# Altium PCB PCB_REV3.PcbDoc (part 2 of 2)
Units mm, origin at the board's own origin, x right, y up, seen from the top; angles counter-clockwise.
Board outline 75 x 115 mm, 2 copper layers (Top Layer, Bottom Layer); 203 components, 157 nets, 566 pads, 115 vias.
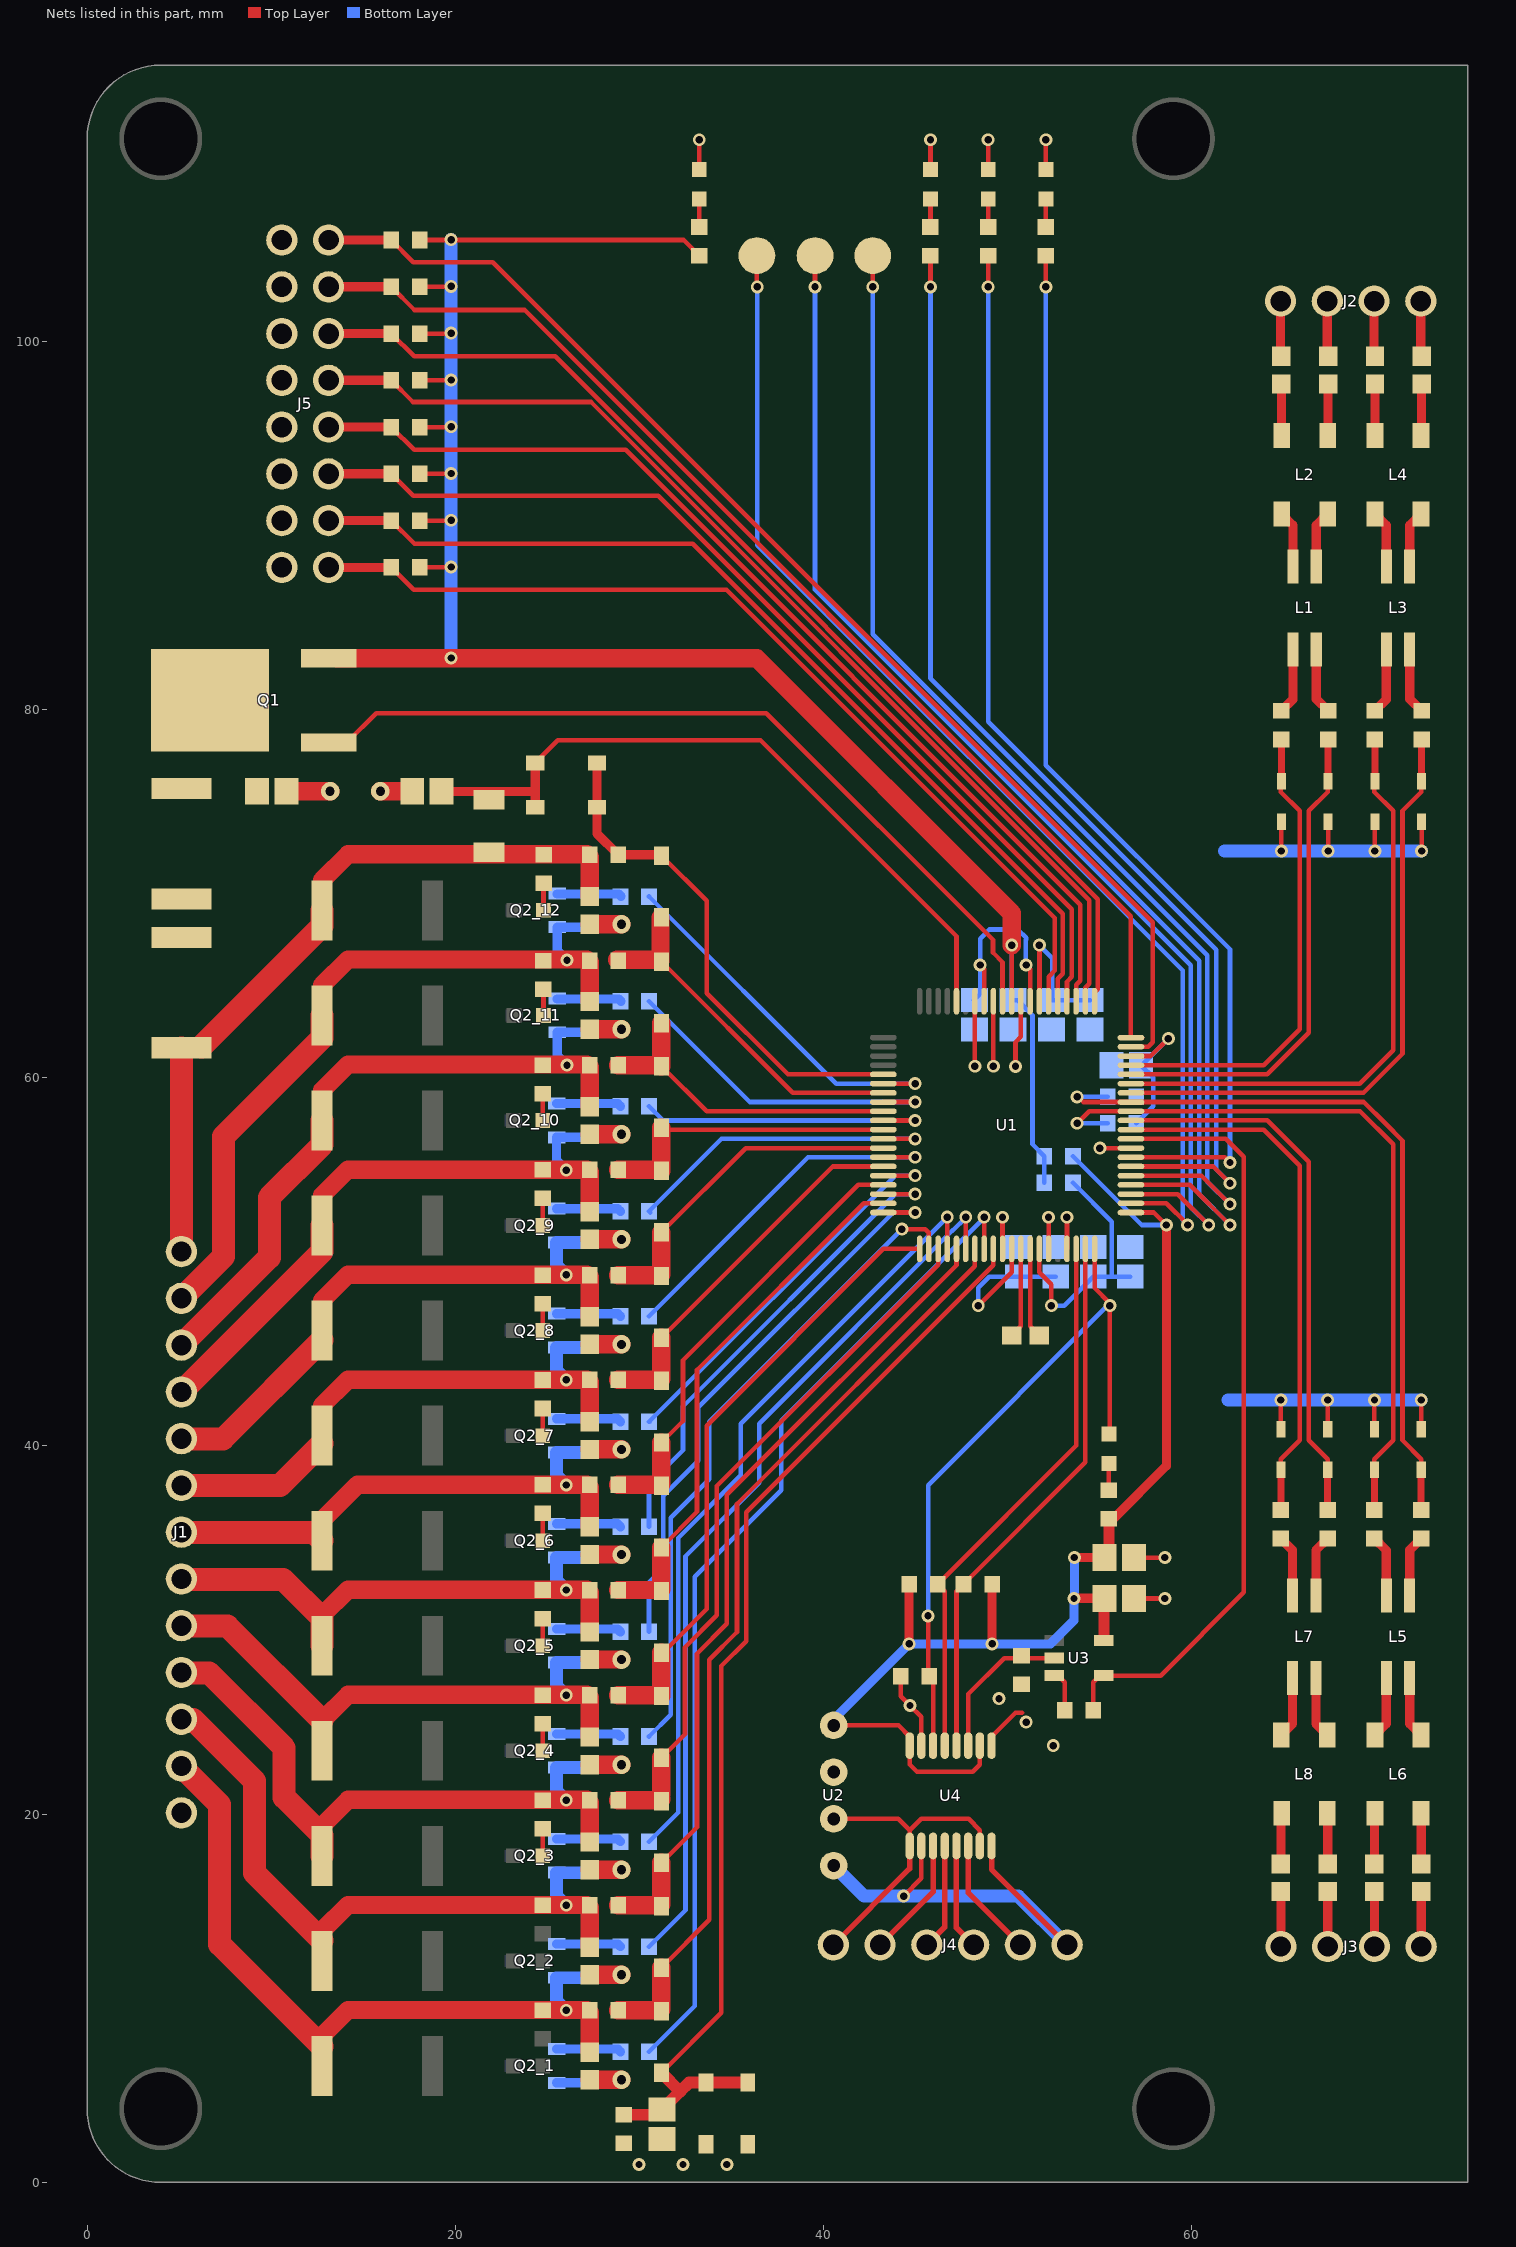
[diagram p2: the nets of this part, all layers, seen from the top]

## Via types
v1: diameter 0.7, hole 0.4, Top Layer to Bottom Layer, 89 vias
v2: diameter 1, hole 0.5, Top Layer to Bottom Layer, 14 vias
v3: diameter 1.2, hole 0.8, Top Layer to Bottom Layer, 12 vias

## Nets (pads, with @x,y where several pads share a name; then routed paths per layer and width w, separated by ;. In a path a pad name is that pad's centre, name@x,y a point inside that pad or via, vN(x,y) a via of type N, cw(c..) or ccw(c..) an arc to the next point about the centre after c; other vN are vias at no path point) (continued)
BLN-LED_3: D18_3.1 R36_3.1 | length 1.5
  Top Layer w0.254: D18_3.1@24.75,17.737 R36_3.1@24.75,19.207
BLN-LED_4: D18_4.1 R36_4.1 | length 1.5
  Top Layer w0.254: D18_4.1@24.75,23.444 R36_4.1@24.75,24.913
BLN-LED_5: D18_5.1 R36_5.1 | length 1.5
  Top Layer w0.254: D18_5.1@24.75,29.15 R36_5.1@24.75,30.619
BLN-LED_6: D18_6.1 R36_6.1 | length 1.5
  Top Layer w0.254: D18_6.1@24.75,34.856 R36_6.1@24.75,36.326
BLN-LED_7: D18_7.1 R36_7.1 | length 1.5
  Top Layer w0.254: D18_7.1@24.75,40.562 R36_7.1@24.75,42.032
BLN-LED_8: D18_8.1 R36_8.1 | length 1.5
  Top Layer w0.254: D18_8.1@24.75,46.268 R36_8.1@24.75,47.738
BLN-LED_9: D18_9.1 R36_9.1 | length 1.5
  Top Layer w0.254: D18_9.1@24.75,51.974 R36_9.1@24.75,53.444
BLN-LED_10: D18_10.1 R36_10.1 | length 1.5
  Top Layer w0.254: D18_10.1@24.75,57.68 R36_10.1@24.75,59.15
BLN-LED_11: D18_11.1 R36_11.1 | length 1.5
  Top Layer w0.254: D18_11.1@24.789,63.386 R36_11.1@24.789,64.856
BLN-LED_12: D18_12.1 R36_12.1 | length 1.5
  Top Layer w0.254: D18_12.1@24.789,69.092 R36_12.1@24.789,70.561
C_H+: C16.2 J2.2 | length 3
  Top Layer w0.5: C16.2@69.901,99.149 J2.2@69.901,102.134
C_H-: C17.2 J2.1 | length 3
  Top Layer w0.5: C17.2@72.441,99.149 J2.1@72.441,102.134
C_L+: C19.2 J3.3 | length 3
  Top Layer w0.5: J3.3@69.92,12.813 C19.2@69.92,15.797
C_L-: C18.2 J3.4 | length 3
  Top Layer w0.5: J3.4@72.46,12.813 C18.2@72.46,15.797
CELL0: C1.1 C2.1 C3.1 C4.1 C5.2 C6.1 C7.2 C8.1 C9.1 C10.1 C11.1 C12.1 C22.1 C23.1 C24_1.1 C24_2.1 C24_3.1 C24_4.1 C24_5.1 C24_6.1 C24_7.1 C24_8.1 C24_9.1 C24_10.1 C24_11.1 C24_12.1 D1.2 D4.1 D5.2 D6.2 D7.2 D8.2 D9.2 D10.2 D11.2 D12.2 D13.2 D14.2 D15.2 D16.2 J1.13 J5.1 J5.2 J5.3 J5.4 J5.5 J5.6 J5.7 J5.8 Q2_1.3 R10.2 R16.1 R21.1 R22.1 R26.1 R39_1.1 U1.30 U1.35 U1.37 U1.48 U1.69 U1.72 U1.74 U2.3 U3.3 U4.9 U4.15 | length 104.5
  Top Layer w0.25: D1.2@33.25,109.359 v1(33.25,110.944) ; R26.1@44.195,27.5 44.195,26.4 v1(44.695,25.9) 45.313,25.282 U4.15@45.313,23.725 ; D6.2@45.805,109.359 v1(45.805,110.944) ; v1(48.22,60.625) U1.74@48.22,64.155 ; D7.2@48.94,109.359 v1(48.94,110.944) ; U4.9@49.123,23.725 49.123,24.198 50.425,25.5 50.775,25.5 ; v1(49.22,60.625) U1.72@49.22,64.155 ; U1.30@49.72,50.705 v1@49.72,52.43 ; v1(50.425,60.617) 50.608,60.617 50.425,60.8 50.425,61.925 50.72,62.22 U1.69@50.72,64.155 ; D8.2@52.075,109.359 v1(52.075,110.944) ; U1.35@52.22,50.705 v1@52.22,52.43 ; U3.3@52.525,27.53 52.745,27.53 53.1,27.175 R21.1@53.1,25.65 ; U1.37@53.22,50.705 v1@53.22,52.43 ; v1(55.005,56.18) U1.48@56.695,56.18 ; C23.1@56.85,31.714 v1(58.54,31.714) ; C22.1@56.85,33.939 v1(58.54,33.939) ; D16.2@64.84,40.913 v1(64.84,42.497) ; v1(64.866,72.319) D9.2@64.866,73.904 ; D15.2@67.38,40.913 v1(67.38,42.497) ; v1(67.404,72.319) D10.2@67.404,73.904 ; D14.2@69.92,40.913 v1(69.92,42.497) ; v1(69.943,72.319) D11.2@69.943,73.904 ; D13.2@72.46,40.913 v1(72.46,42.497) ; D12.2@72.46,73.883 D12.2@72.481,73.904 v1(72.481,72.319)
  Top Layer w0.254: v2(13.2,75.556) v2@13.448,75.556 ; v2@13.2,75.68 v2@13.448,75.432 ; v2(29.025,5.572) 29.273,5.572 v2@29.025,5.82 ; v2(29.025,11.278) 29.273,11.278 v2@29.025,11.526 ; v2(29.025,16.984) 29.273,16.984 v2@29.025,17.232 ; v2(29.025,22.69) 29.273,22.69 v2@29.025,22.939 ; v2(29.025,28.396) 29.273,28.396 v2@29.025,28.645 ; v2(29.025,34.103) 29.273,34.103 v2@29.025,34.351 ; v2(29.025,39.809) 29.273,39.809 v2@29.025,40.057 ; v2(29.025,45.515) 29.273,45.515 v2@29.025,45.763 ; v2(29.025,51.221) 29.273,51.221 v2@29.025,51.469 ; v2(29.025,56.927) 29.273,56.927 v2@29.025,57.175 ; v2(29.025,62.635) 29.273,62.635 v2@29.025,62.883 ; v2(29.025,68.338) 29.273,68.338 v2@29.025,68.587
  Top Layer w1: 11.47,75.556 v2(13.2,75.556) ; v2(15.928,75.556) C5.2@17.658,75.556 ; C24_1.1@27.295,5.575 v2@29.025,5.575 ; C24_2.1@27.295,11.281 v2@29.025,11.281 ; C24_3.1@27.295,16.987 v2@29.025,16.987 ; C24_4.1@27.295,22.694 v2@29.025,22.694 ; C24_5.1@27.295,28.4 v2@29.025,28.4 ; C24_6.1@27.295,34.106 v2@29.025,34.106 ; C24_7.1@27.295,39.812 v2@29.025,39.812 ; C24_8.1@27.295,45.518 v2@29.025,45.518 ; C24_9.1@27.295,51.224 v2@29.025,51.224 ; C24_10.1@27.295,56.93 v2@29.025,56.93 ; C24_11.1@27.295,62.638 v2@29.025,62.638 ; C24_12.1@27.295,68.342 v2@29.025,68.342
  Bottom Layer w0.5: Q2_1.3@25.5,5.41 27.155,5.41 R39_1.1@27.295,5.55
  Bottom Layer w0.7: 61.775,72.319 v1(64.866,72.319) v1(67.404,72.319) v1(69.943,72.319) v1(72.481,72.319) ; 61.972,42.497 v1(64.84,42.497) v1(67.38,42.497) v1(69.92,42.497) v1(72.46,42.497)
  other v1: 29.975,0.975 32.363,0.975 34.75,0.975 52.475,23.725 51,25 49.525,26.275 49.715,52.425 52.215,52.425 53.215,52.425
CELL1: C24_1.2 J1.12 Q2_2.3 R35_1.2 R36_1.2 R37_1.2 R39_2.1 | length 39.6
  Top Layer w1: 12.764,7.959 14.168,9.363 27.146,9.363 27.295,9.214 C24_1.2@27.295,7.083
  Top Layer w1.25: J1.12@5.12,22.6 7.2,20.52 7.2,12.935 12.764,7.371 R37_1.2@12.764,7.396
  Bottom Layer w0.7: v1(26.025,9.35) 25.5,9.875 Q2_2.3@25.5,11.116 27.155,11.116 R39_2.1@27.295,11.256
CELL2: C24_2.2 J1.11 Q2_3.3 R35_2.2 R36_2.2 R37_2.2 R39_3.1 | length 38.3
  Top Layer w1: R37_2.2@12.764,12.031 12.764,13.136 12.764,13.665 14.168,15.069 26.025,15.069 27.146,15.069 27.295,14.921 C24_2.2@27.295,12.789
  Top Layer w1.25: J1.11@5.12,25.14 5.76,25.14 9.1,21.8 9.1,16.8 R37_2.2@12.764,13.136
  Bottom Layer w0.7: v1(26.025,15.056) 25.5,15.581 Q2_3.3@25.5,16.822 27.155,16.822 R39_3.1@27.295,16.962
CELL3: C24_3.2 J1.10 Q2_4.3 R35_3.2 R36_3.2 R37_3.2 R39_4.1 | length 35.1
  Top Layer w1: 12.781,19.388 14.168,20.775 26.025,20.775 27.146,20.775 27.295,20.627 C24_3.2@27.295,18.495
  Top Layer w1.25: J1.10@5.12,27.68 6.62,27.68 10.7,23.6 10.7,20.912 12.764,18.848 R37_3.2@12.764,17.737
  Bottom Layer w0.7: v1(26.025,20.762) 25.5,21.287 Q2_4.3@25.5,22.529 27.155,22.529 R39_4.1@27.295,22.669
CELL4: C24_4.2 J1.9 Q2_5.3 R35_4.2 R36_4.2 R37_4.2 R39_5.1 | length 30.9
  Top Layer w1: 12.764,25.078 14.168,26.482 27.146,26.482 27.295,26.333 C24_4.2@27.295,24.201
  Top Layer w1.25: J1.9@5.12,30.22 7.622,30.22 12.764,25.078
  Bottom Layer w0.7: v1(26.025,26.469) 25.5,26.993 Q2_5.3@25.5,28.235 27.155,28.235 R39_5.1@27.295,28.375
CELL5: C24_5.2 J1.8 Q2_6.3 R35_5.2 R36_5.2 R37_5.2 R39_6.1 | length 31.3
  Top Layer w1: 12.764,30.784 14.168,32.188 27.146,32.188 27.295,32.039 C24_5.2@27.295,29.907
  Top Layer w1.25: J1.8@5.12,32.76 10.64,32.76 12.764,30.636 R37_5.2@12.764,29.15 ; R37_5.2@12.691,30.71 12.764,30.784
  Bottom Layer w0.7: v1(26.025,32.175) 25.5,32.7 Q2_6.3@25.5,33.941 27.155,33.941 R39_6.1@27.295,34.081
CELL6: C24_6.2 J1.7 Q2_7.3 R35_6.2 R36_6.2 R37_6.2 R39_7.1 | length 29.2
  Top Layer w1: R37_6.2@12.764,35.964 14.694,37.894 27.146,37.894 27.295,37.745 C24_6.2@27.295,35.613
  Top Layer w1.25: J1.7@5.12,35.3 12.32,35.3 R37_6.2@12.764,34.856
  Bottom Layer w0.7: v1(26.025,37.881) 25.5,38.406 Q2_7.3@25.5,39.647 27.155,39.647 R39_7.1@27.295,39.787
CELL7: C24_7.2 J1.6 Q2_8.3 R35_7.2 R36_7.2 R37_7.2 R39_8.1 | length 31.8
  Top Layer w1: R37_7.2@12.764,40.139 R37_7.2@12.764,40.562 12.764,42.196 14.168,43.6 27.146,43.6 27.295,43.451 C24_7.2@27.295,41.319
  Top Layer w1.25: J1.6@5.12,37.84 10.465,37.84 R37_7.2@12.764,40.139
  Bottom Layer w0.7: v1(26.025,43.587) 25.5,44.112 Q2_8.3@25.5,45.353 27.155,45.353 R39_8.1@27.295,45.493
CELL8: C24_8.2 J1.5 Q2_9.3 R35_8.2 R36_8.2 R37_8.2 R39_9.1 | length 33.2
  Top Layer w1: R37_8.2@12.764,45.764 R37_8.2@12.764,46.268 12.764,47.902 14.168,49.306 27.146,49.306 27.295,49.157 C24_8.2@27.295,47.026
  Top Layer w1.25: J1.5@5.12,40.38 7.38,40.38 R37_8.2@12.764,45.764
  Bottom Layer w0.7: v1(26.025,49.293) 25.5,49.818 Q2_9.3@25.5,51.059 27.155,51.059 R39_9.1@27.295,51.199
CELL9: C24_9.2 J1.4 Q2_10.3 R35_9.2 R36_9.2 R37_9.2 R39_10.1 | length 35
  Top Layer w1: R37_9.2@12.764,51.974 12.764,53.608 14.168,55.012 27.146,55.012 27.295,54.864 C24_9.2@27.295,52.732
  Top Layer w1.25: J1.4@5.12,42.92 12.764,50.565 R37_9.2@12.764,51.974
  Bottom Layer w0.5: v1(26.025,54.979) 25.5,55.504 Q2_10.3@25.5,56.765 27.155,56.765 R39_10.1@27.295,56.905
CELL10: C24_10.2 J1.3 Q2_11.3 R35_10.2 R36_10.2 R37_10.2 R39_11.1 | length 38.2
  Top Layer w1: R37_10.2@12.764,57.68 12.764,59.314 14.168,60.718 27.146,60.718 27.295,60.569 C24_10.2@27.295,58.437
  Top Layer w1.25: J1.3@5.12,45.46 9.9,50.24 9.9,53.5 12.764,56.364 R37_10.2@12.764,57.68
  Bottom Layer w0.5: v1(26.064,60.685) 25.539,61.21 Q2_11.3@25.539,62.471 27.194,62.471 R39_11.1@27.334,62.611
CELL11: C24_11.2 J1.2 Q2_12.3 R35_11.2 R36_11.2 R37_11.2 R39_12.1 | length 41.3
  Top Layer w1: R37_11.2@12.764,63.386 12.764,65.02 14.168,66.424 27.146,66.424 27.295,66.275 C24_11.2@27.295,64.143
  Top Layer w1.25: J1.2@5.12,48 7.4,50.28 7.4,56.8 12.764,62.164 R37_11.2@12.764,63.386
  Bottom Layer w0.5: v1(26.064,66.391) 25.539,66.916 Q2_12.3@25.539,68.177 27.194,68.177 R39_12.1@27.334,68.317
CELL12: C24_12.2 J1.1 R5.1 R6.1 R35_12.2 R36_12.2 R37_12.2 | length 42.3
  Top Layer w1: R37_12.2@12.765,69.092 12.765,70.726 14.169,72.13 27.146,72.13 27.295,71.981 C24_12.2@27.295,69.849 ; C24_12.2@27.295,69.847 R35_12.2@27.295,71.979
  Top Layer w1.25: J1.1@5.12,50.557 R5.1@5.12,61.624 ; R5.1@6.2,61.68 12.765,68.245 R37_12.2@12.765,69.092
CHM: C13.1 U1.33 | length 4.9
  Top Layer w0.25: U1.33@51.22,50.705 51.22,46.5 C13.1@51.72,46
CHP: C13.2 U1.32 | length 4.9
  Top Layer w0.25: C13.2@50.22,46 50.72,46.5 U1.32@50.72,50.705
COMH_N: D12.1 R14.1 U1.54 | length 33.1
  Top Layer w0.25: U1.54@56.695,59.18 69.329,59.18 71.442,61.294 71.442,74.502 72.46,75.52 72.46,76.083 D12.1@72.481,76.104
  Top Layer w0.381: D12.1@72.481,76.104 R14.1@72.481,78.375
COMH_P: D11.1 R13.1 U1.55 | length 32.3
  Top Layer w0.25: U1.55@56.695,59.684 69.12,59.684 70.938,61.503 70.938,74.502 69.92,75.52 69.92,76.081 D11.1@69.943,76.104
  Top Layer w0.381: D11.1@69.943,76.104 R13.1@69.943,78.375
COML_N: D13.1 R15.1 R16.2 U1.53 | length 40.8
  Top Layer w0.25: v1@53.775,59.025 54.116,58.684 69.346,58.684 70.5,57.53 71.442,56.588 71.442,40.306 72.46,39.288 D13.1@72.46,38.713
  Top Layer w0.381: R15.1@72.46,36.524 D13.1@72.46,38.713
  Bottom Layer w0.25: v1(53.775,58.962) R16.2@55.437,58.962
COML_P: D14.1 R17.1 R18.1 U1.52 | length 40.1
  Top Layer w0.25: v1(53.775,57.53) 54.425,58.18 U1.52@56.695,58.18 69.137,58.18 70.938,56.379 70.938,40.306 69.92,39.288 D14.1@69.92,38.713
  Top Layer w0.381: R18.1@69.92,36.524 D14.1@69.92,38.713
  Bottom Layer w0.25: v1(53.775,57.53) R17.1@55.437,57.53
EQ-1: R38_1.1 U1.28 | length 54.6
  Top Layer w0.25: U1.28@48.72,50.705 v1(48.72,52.43)
  Bottom Layer w0.25: R38_1.1@30.518,7.1 33,9.582 33,32.9 37.7,37.6 37.7,41.379 48.72,52.399 v1(48.72,52.43)
EQ-2: R38_2.1 U1.26 | length 48.5
  Top Layer w0.25: U1.26@47.72,50.705 v1(47.72,52.43)
  Bottom Layer w0.25: R38_2.1@30.518,12.806 32.5,14.788 32.5,34 36.5,38 36.5,41.21 46.991,51.701 47.022,51.701 47.72,52.399 v1(47.72,52.43)
EQ-3: R38_3.1 U1.24 | length 42.4
  Top Layer w0.25: U1.24@46.72,50.705 v1(46.72,52.43)
  Bottom Layer w0.25: R38_3.1@30.518,18.512 32.1,20.094 32.1,35 35.5,38.4 35.5,41.21 v1(46.72,52.43)
EQ-4: R38_4.1 U1.22 | length 35.7
  Top Layer w0.25: v1(44.25,51.775) 45.525,51.775 45.72,51.58 U1.22@45.72,50.705
  Bottom Layer w0.25: R38_4.1@30.518,24.219 31.7,25.4 31.7,36.1 33.8,38.2 33.8,41.325 v1(44.25,51.775)
EQ-5: R38_5.1 U1.20 | length 31.2
  Top Layer w0.25: U1.20@43.245,52.68 v1(44.97,52.68)
  Bottom Layer w0.25: R38_5.1@30.518,29.9 30.518,32.593 31.3,33.375 31.3,37.3 33.2,39.2 33.2,42.1 43.78,52.68 v1(44.97,52.68)
EQ-6: R38_6.1 U1.18 | length 26.4
  Top Layer w0.25: U1.18@43.245,53.68 v1(44.97,53.68)
  Bottom Layer w0.25: R38_6.1@30.518,35.606 30.518,37.918 32.363,39.763 32.363,42.143 43.9,53.68 v1(44.97,53.68)
EQ-7: R38_7.1 U1.16 | length 21.8
  Top Layer w0.25: U1.16@43.245,54.68 v1(44.97,54.68)
  Bottom Layer w0.25: R38_7.1@30.562,41.312 R38_7.1@30.518,41.312 43.886,54.68 v1(44.97,54.68)
EQ-8: R38_8.1 U1.14 | length 19.8
  Top Layer w0.25: U1.14@43.245,55.68 v1(44.97,55.68)
  Bottom Layer w0.25: R38_8.1@30.518,47.043 39.155,55.68 v1(44.97,55.68)
EQ-9: R38_9.1 U1.12 | length 17.9
  Top Layer w0.25: U1.12@43.245,56.68 v1(44.97,56.68)
  Bottom Layer w0.25: R38_9.1@30.578,52.68 R38_9.1@30.518,52.74 34.459,56.68 v1(44.97,56.68)
EQ-10: R38_10.1 U1.10 | length 16.5
  Top Layer w0.25: U1.10@43.245,57.68 v1(44.97,57.68)
  Bottom Layer w0.25: R38_10.1@30.518,58.455 31.293,57.68 v1(44.97,57.68)
EQ-11: R38_11.1 U1.8 | length 18.4
  Top Layer w0.25: U1.8@43.245,58.68 v1(44.97,58.68)
  Bottom Layer w0.25: R38_11.1@30.518,64.155 35.993,58.68 v1(44.97,58.68)
EQ-12: R38_12.1 U1.6 | length 20.4
  Top Layer w0.25: U1.6@43.245,59.68 v1(44.97,59.68)
  Bottom Layer w0.25: R38_12.1@30.518,69.842 40.68,59.68 v1(44.97,59.68)
F_H+: C14.2 J2.4 | length 3
  Top Layer w0.5: C14.2@64.821,99.149 J2.4@64.821,102.134
F_H-: C15.2 J2.3 | length 3
  Top Layer w0.5: C15.2@67.361,99.149 J2.3@67.361,102.134
F_L+: C21.2 J3.1 | length 3
  Top Layer w0.5: J3.1@64.84,12.813 C21.2@64.84,15.797
F_L-: C20.2 J3.2 | length 3
  Top Layer w0.5: J3.2@67.38,12.813 C20.2@67.38,15.797
FET-GATE_1: Q2_1.1 R38_1.2 R39_1.2 | length 3.5
  Bottom Layer w0.5: Q2_1.1@25.5,7.24 28.828,7.24 R38_1.2@28.968,7.1
FET-GATE_2: Q2_2.1 R38_2.2 R39_2.2 | length 3.5
  Bottom Layer w0.5: Q2_2.1@25.5,12.946 28.828,12.946 R38_2.2@28.968,12.806
FET-GATE_3: Q2_3.1 R38_3.2 R39_3.2 | length 3.5
  Bottom Layer w0.5: Q2_3.1@25.5,18.652 28.828,18.652 R38_3.2@28.968,18.512
FET-GATE_4: Q2_4.1 R38_4.2 R39_4.2 | length 3.5
  Bottom Layer w0.5: Q2_4.1@25.5,24.359 28.828,24.359 R38_4.2@28.968,24.219
FET-GATE_5: Q2_5.1 R38_5.2 R39_5.2 | length 3.5
  Bottom Layer w0.5: Q2_5.1@25.5,30.065 28.803,30.065 R38_5.2@28.968,29.9
FET-GATE_6: Q2_6.1 R38_6.2 R39_6.2 | length 3.5
  Bottom Layer w0.5: Q2_6.1@25.5,35.771 28.803,35.771 R38_6.2@28.968,35.606
FET-GATE_7: Q2_7.1 R38_7.2 R39_7.2 | length 3.5
  Bottom Layer w0.5: Q2_7.1@25.5,41.477 28.803,41.477 R38_7.2@28.968,41.312
FET-GATE_8: Q2_8.1 R38_8.2 R39_8.2 | length 3.5
  Bottom Layer w0.5: Q2_8.1@25.5,47.183 28.828,47.183 R38_8.2@28.968,47.043
FET-GATE_9: Q2_9.1 R38_9.2 R39_9.2 | length 3.5
  Bottom Layer w0.5: Q2_9.1@25.5,52.889 28.819,52.889 R38_9.2@28.968,52.74
FET-GATE_10: Q2_10.1 R38_10.2 R39_10.2 | length 3.5
  Bottom Layer w0.5: Q2_10.1@25.5,58.595 28.828,58.595 R38_10.2@28.968,58.455
FET-GATE_11: Q2_11.1 R38_11.2 R39_11.2 | length 3.5
  Bottom Layer w0.5: Q2_11.1@25.539,64.276 28.878,64.276 R38_11.2@28.998,64.155
FET-GATE_12: Q2_12.1 R38_12.2 R39_12.2 | length 3.5
  Bottom Layer w0.5: Q2_12.1@25.539,69.981 28.878,69.981 R38_12.2@28.998,69.861
FLTH_N: D10.1 R12.1 U1.56 | length 27
  Top Layer w0.25: U1.56@56.695,60.18 64.108,60.18 66.362,62.435 66.362,74.502 67.38,75.52 D10.1@67.38,76.095
  Top Layer w0.381: D10.1@67.404,76.104 R12.1@67.404,78.375
FLTH_P: D9.1 R11.1 U1.57 | length 26.1
  Top Layer w0.25: U1.57@56.695,60.684 63.899,60.684 65.858,62.643 65.858,74.502 64.84,75.52 D9.1@64.84,76.095
  Top Layer w0.381: D9.1@64.866,76.104 R11.1@64.866,78.375
FLTL_N: D15.1 R19.1 U1.51 | length 29.9
  Top Layer w0.25: U1.51@56.695,57.684 64.108,57.684 66.362,55.43 66.362,40.306 67.38,39.288 D15.1@67.38,38.713
  Top Layer w0.381: R19.1@67.38,36.524 D15.1@67.38,38.713
FLTL_P: D16.1 R20.1 U1.50 | length 29.1
  Top Layer w0.25: U1.50@56.695,57.18 63.899,57.18 65.858,55.221 65.858,40.306 64.84,39.288 D16.1@64.84,38.713
  Top Layer w0.381: R20.1@64.84,36.524 D16.1@64.84,38.713
GIO4: JP2.1 U1.43 | length 66.4
  Top Layer w0.25: v1(39.535,102.954) JP2.1@39.535,104.654 ; U1.43@56.695,53.68 59.243,53.68 v1(60.923,52)
  Bottom Layer w0.25: v1(39.535,102.954) 39.535,86.515 59.95,66.1 59.95,52.973 v1(60.923,52)
GIO5: JP1.1 U1.42 | length 65.9
  Top Layer w0.25: JP1.1@36.38,104.654 36.38,102.974 v1(36.4,102.954) ; U1.42@56.695,53.18 58.62,53.18 59.772,52.028 v1(59.772,52)
  Bottom Layer w0.25: v1(36.4,102.954) 36.4,88.925 59.5,65.825 59.5,52.272 v1(59.772,52)
GPI0: R9.2 U1.47 | length 58.7
  Top Layer w0.25: v1(52.075,102.954) R9.2@52.075,104.654 ; U1.47@56.695,55.68 61.795,55.68 v1@61.93,55.545
  Bottom Layer w0.25: v1(52.075,102.954) 52.075,76.975 62.075,66.975 v1(62.075,55.4)
GPI1: R8.2 U1.46 | length 61.6
  Top Layer w0.25: v1(48.94,102.954) R8.2@48.94,104.654 ; U1.46@56.695,55.18 61.161,55.18 v1(62.075,54.267)
  Bottom Layer w0.25: v1(48.94,102.954) 48.94,79.335 61.325,66.95 61.325,55.017 v1(62.075,54.267)
GPI2: R7.2 U1.45 | length 64.3
  Top Layer w0.25: v1(45.805,102.954) R7.2@45.805,104.654 ; U1.45@56.695,54.68 60.528,54.68 v1(62.075,53.133)
  Bottom Layer w0.25: v1(45.805,102.954) 45.805,81.695 60.85,66.65 60.85,54.358 v1(62.075,53.133)
GPI3: JP3.1 U1.44 | length 67
  Top Layer w0.25: v1(42.67,102.954) JP3.1@42.67,104.654 ; U1.44@56.695,54.18 59.895,54.18 v1(62.075,52)
  Bottom Layer w0.25: v1(42.67,102.954) 42.67,84.08 60.4,66.35 60.4,53.675 v1(62.075,52)
ISO_GND: J4.6 U2.1 U4.2 U4.8 | length 24.7
  Top Layer w0.25: v1(44.35,15.55) 45.313,16.512 U4.2@45.313,18.275
  Top Layer w0.3: U4.8@49.123,18.275 49.123,17.008 J4.6@53.23,12.9
  Bottom Layer w0.7: U2.1@40.55,17.206 42.206,15.55 v1(44.35,15.55) 50.58,15.55 J4.6@53.23,12.9
NetC14_1: C14.1 L2.4 | length 2.8
  Top Layer w0.5: C14.1@64.866,97.68 64.866,94.883 L2.4@64.875,94.874
NetC15_1: C15.1 L2.3 | length 2.8
  Top Layer w0.5: L2.3@67.375,94.874 67.401,94.9 C15.1@67.401,97.68
NetC16_1: C16.1 L4.4 | length 2.8
  Top Layer w0.5: C16.1@69.949,97.68 69.949,94.875 L4.4@69.95,94.874
NetC17_1: C17.1 L4.3 | length 2.8
  Top Layer w0.5: L4.3@72.45,94.874 72.481,94.905 C17.1@72.481,97.68
NetC18_1: C18.1 L6.4 | length 2.8
  Top Layer w0.5: L6.4@72.45,20.05 72.46,20.039 C18.1@72.46,17.297
NetC19_1: C19.1 L6.3 | length 2.8
  Top Layer w0.5: C19.1@69.92,17.297 69.92,20.02 L6.3@69.95,20.05
NetC20_1: C20.1 L8.4 | length 2.8
  Top Layer w0.5: L8.4@67.355,20.07 67.38,20.045 C20.1@67.38,17.297
NetC21_1: C21.1 L8.3 | length 2.7
  Top Layer w0.5: C21.1@64.84,17.297 L8.3@64.84,20.02
NetD1_1: D1.1 R4.1 | length 1.5
  Top Layer w0.25: R4.1@33.25,106.204 D1.1@33.25,107.729
NetD6_1: D6.1 R7.1 | length 1.5
  Top Layer w0.25: R7.1@45.805,106.204 D6.1@45.805,107.729
NetD7_1: D7.1 R8.1 | length 1.5
  Top Layer w0.25: R8.1@48.94,106.204 D7.1@48.94,107.729
NetD8_1: D8.1 R9.1 | length 1.5
  Top Layer w0.25: R9.1@52.075,106.204 D8.1@52.075,107.729
NetD17_1: D17.1 R25.1 | length 1.5
  Top Layer w0.25: R25.1@55.5,37.595 D17.1@55.5,39.045
NetL1_1: L1.1 R11.2 | length 3.6
  Top Layer w0.5: R11.2@64.866,79.925 65.49,80.548 L1.1@65.49,83.27
NetL1_2: L1.2 R12.2 | length 3.6
  Top Layer w0.5: L1.2@66.76,83.27 66.76,80.569 R12.2@67.404,79.925
NetL1_3: L1.3 L2.2 | length 3.1
  Top Layer w0.5: L1.3@66.76,87.77 66.76,90.009 L2.2@67.375,90.624
NetL1_4: L1.4 L2.1 | length 3.1
  Top Layer w0.5: L2.1@64.875,90.624 65.49,90.009 L1.4@65.49,87.77
NetL3_1: L3.1 R13.2 | length 3.6
  Top Layer w0.5: R13.2@69.943,79.925 70.565,80.547 L3.1@70.565,83.27
NetL3_2: L3.2 R14.2 | length 3.6
  Top Layer w0.5: L3.2@71.835,83.27 71.835,80.57 R14.2@72.481,79.925
NetL3_3: L3.3 L4.2 | length 3.1
  Top Layer w0.5: L3.3@71.835,87.77 71.835,90.009 L4.2@72.45,90.624
NetL3_4: L3.4 L4.1 | length 3.1
  Top Layer w0.5: L4.1@69.95,90.624 70.565,90.009 L3.4@70.565,87.77
NetL5_1: L5.1 R15.2 | length 3.3
  Top Layer w0.5: L5.1@71.835,31.887 71.835,34.349 R15.2@72.46,34.974
NetL5_2: L5.2 R18.2 | length 3.4
  Top Layer w0.5: R18.2@69.92,34.974 70.565,34.33 L5.2@70.565,31.887
NetL5_3: L5.3 L6.2 | length 3.3
  Top Layer w0.5: L6.2@69.95,24.3 70.565,24.915 L5.3@70.565,27.387
NetL5_4: L5.4 L6.1 | length 3.3
  Top Layer w0.5: L5.4@71.835,27.387 71.835,24.915 L6.1@72.45,24.3
NetL7_1: L7.1 R19.2 | length 3.4
  Top Layer w0.5: L7.1@66.74,31.887 66.74,34.334 R19.2@67.38,34.974
NetL7_2: L7.2 R20.2 | length 3.3
  Top Layer w0.5: R20.2@64.84,34.974 65.47,34.345 L7.2@65.47,31.887
NetL7_3: L7.3 L8.2 | length 3.3
  Top Layer w0.5: L8.2@64.855,24.3 65.47,24.915 L7.3@65.47,27.387
NetL7_4: L7.4 L8.1 | length 3.3
  Top Layer w0.5: L7.4@66.74,27.387 66.74,24.915 L8.1@67.355,24.3
NetR3_1: R3.1 R5.2
nFLT: J4.2 U4.3 | length 6.6
  Top Layer w0.3: J4.2@43.07,12.9 45.948,15.777 U4.3@45.948,18.275
nFLT-ISO: D17.2 R26.2 U1.40 U4.14 | length 38.5
  Top Layer w0.25: v1(45.675,30.775) 45.675,27.57 R26.2@45.745,27.5 45.948,27.297 U4.14@45.948,23.725 ; U1.40@54.72,50.705 54.72,48.58 v1@55.55,47.75 ; D17.2@55.5,40.645 55.55,40.695 v1(55.55,47.625)
  Bottom Layer w0.25: v1(45.675,30.775) 45.675,37.875 v1@55.55,47.75
NPN-BASE: Q1.1 U1.71 | length 45.4
  Top Layer w0.25: Q1.1@13.12,78.21 14.11,78.21 15.7,79.8 36.895,79.8 49.2,67.495 49.2,66.8 49.72,66.28 U1.71@49.72,64.155
OUT: C6.2 U1.68 U1.73 | length 12
  Top Layer w0.25: v1(48.5,66.125) 48.72,65.905 U1.73@48.72,64.155 ; v1(51,66.125) 51.22,65.905 U1.68@51.22,64.155
  Bottom Layer w0.25: C6.2@48.156,64.205 48.5,64.549 v1(48.5,66.125) 48.5,67.55 49,68.05 50.55,68.05 51,67.6 51,67.511 50.991,67.502 50.991,66.134 v1(51,66.125)
RX: J4.4 U4.5 | length 5.8
  Top Layer w0.3: U4.5@47.218,18.275 47.218,13.833 J4.4@48.15,12.9
RX-ISO: R24.1 U1.39 U4.12 | length 29.9
  Top Layer w0.25: U4.12@47.218,23.725 47.218,32.115 R24.1@47.603,32.5 54.22,39.117 U1.39@54.22,50.705
TEMP-0: J5.9 R34.2 U1.66 | length 52
  Top Layer w0.25: R34.2@16.52,87.72 17.74,86.5 34.725,86.5 52.55,68.675 52.55,65.825 52.22,65.495 U1.66@52.22,64.155
  Top Layer w0.5: J5.9@13.115,87.72 R34.2@16.52,87.72
TEMP-1: J5.10 R33.2 U1.65 | length 53.6
  Top Layer w0.25: R33.2@16.52,90.26 17.78,89 32.9,89 53,68.9 53,65.65 52.72,65.37 U1.65@52.72,64.155
  Top Layer w0.5: J5.10@13.115,90.26 R33.2@16.52,90.26
TEMP-2: J5.11 R32.2 U1.64 | length 55.3
  Top Layer w0.25: R32.2@16.52,92.8 17.72,91.6 31.017,91.6 53.475,69.142 53.475,65.475 53.22,65.22 U1.64@53.22,64.155
  Top Layer w0.5: J5.11@13.115,92.8 R32.2@16.52,92.8
TEMP-3: J5.12 R31.2 U1.63 | length 56.9
  Top Layer w0.25: R31.2@16.52,95.34 17.76,94.1 29.25,94.1 53.95,69.4 53.95,65.275 53.72,65.045 U1.63@53.72,64.155
  Top Layer w0.5: J5.12@13.115,95.34 R31.2@16.52,95.34
TEMP-4: J5.13 R30.2 U1.62 | length 58.6
  Top Layer w0.25: R30.2@16.52,97.88 17.7,96.7 27.367,96.7 54.425,69.642 54.425,65.1 54.22,64.895 U1.62@54.22,64.155
  Top Layer w0.5: J5.13@13.115,97.88 R30.2@16.52,97.88
TEMP-5: J5.14 R29.2 U1.61 | length 60.1
  Top Layer w0.25: R29.2@16.52,100.42 17.76,99.18 25.42,99.18 54.9,69.7 54.9,64.817 54.72,64.637 U1.61@54.72,64.155
  Top Layer w0.5: J5.14@13.115,100.42 R29.2@16.52,100.42
TEMP-6: J5.15 R28.2 U1.60 | length 64.9
  Top Layer w0.25: R28.2@16.52,102.96 17.78,101.7 23.775,101.7 56.695,68.78 U1.60@56.695,62.18 U1.60@57.305,62.18
  Top Layer w0.5: J5.15@13.115,102.96 R28.2@16.52,102.96
TEMP-7: J5.16 R27.2 U1.59 | length 67.9
  Top Layer w0.25: R27.2@16.52,105.5 17.72,104.3 22.025,104.3 57.875,68.45 57.875,61.925 57.63,61.68 U1.59@56.695,61.68
  Top Layer w0.5: J5.16@13.115,105.5 R27.2@16.52,105.5
TOP: C5.1 D2.2 D3.1 R6.2 U1.76 | length 38.8
  Top Layer w0.25: D2.2@24.345,77.101 25.569,78.325 36.575,78.325 47.22,67.68 U1.76@47.22,64.155
  Top Layer w0.5: C5.1@19.258,75.545 24.345,75.545 ; D3.1@24.345,74.686 24.345,75.545 ; D2.2@24.345,77.101 24.345,75.545
TOPCELL: C1.2 Q1.2 R3.2
TX: J4.3 U4.4 | length 5.8
  Top Layer w0.3: J4.3@45.61,12.9 46.583,13.872 U4.4@46.583,18.275
TX-ISO: R23.1 U1.38 U4.13 | length 30.3
  Top Layer w0.25: U4.13@46.583,23.725 46.583,32.112 R23.1@46.195,32.5 53.72,40.025 U1.38@53.72,50.705
VAO: C11.2 R17.2 U1.58 | length 8.3
  Top Layer w0.25: U1.58@56.695,61.18 57.78,61.18 v1(58.725,62.125)
  Bottom Layer w0.25: R17.2@56.987,57.53 57.9,58.443 57.9,60.02 57.26,60.66 v1(58.725,62.125)
VCC: J4.1 U2.2 U4.1 U4.7 | length 17.5
  Top Layer w0.25: U2.2@40.55,19.746 44.059,19.746 44.678,19.128 ; U4.1@44.678,18.275 44.678,19.128 ; U4.7@48.488,18.275 48.488,19.138 47.879,19.746 45.296,19.746 44.678,19.128
  Top Layer w0.3: J4.1@40.53,12.9 44.678,17.047 U4.1@44.678,18.275
VDIG: C3.2 C4.2 R2.2 U1.34 | length 14.1
  Top Layer w0.25: U1.34@51.72,50.705 51.72,49.43 52.375,48.775 v1(52.375,47.625)
  Bottom Layer w0.25: v1(52.375,47.625) 53.065,47.625 C3.2@54.64,49.2 C4.2@56.665,49.2 ; R2.2@53.545,54.288 55.65,52.183 55.65,49.325
VIO: C22.2 C23.2 R1.2 R23.2 R24.2 R25.2 U1.41 U2.4 U3.5 U4.10 U4.16 | length 70.5
  Top Layer w0.25: U2.4@40.55,24.826 44.068,24.826 44.678,24.216 U4.16@44.678,23.725 44.678,22.697 45.075,22.3 48.1,22.3 48.488,22.688 U4.10@48.488,23.725 ; R25.2@55.5,36.045 R25.2@55.745,36.045 ; U1.41@56.695,52.68 57.94,52.68 v1(58.62,52)
  Top Layer w0.5: v1(44.645,29.25) R23.2@44.645,32.5 ; v1(49.153,29.25) R24.2@49.153,32.5 ; v1@53.6,31.725 55.214,31.725 C23.2@55.225,31.714 ; v1(53.625,33.939) C22.2@55.25,33.939 55.454,33.939 C22.2@55.5,33.985 ; R25.2@55.745,36.045 58.62,38.92 v1(58.62,52)
  Top Layer w0.6: U3.5@55.225,29.43 C23.2@55.225,31.714 ; C22.2@55.5,33.985 R25.2@55.5,36.045
  Bottom Layer w0.25: R1.2@53.545,55.745 57.29,52 v1(58.62,52)
  Bottom Layer w0.5: U2.4@40.55,24.826 40.55,25.155 v1(44.645,29.25) v1(49.153,29.25) 52.325,29.25 53.6,30.525 v1(53.6,31.714) 53.6,31.725 53.625,31.75 v1@53.625,33.775
VM: C9.2 C10.2 U1.31 | length 9.3
  Top Layer w0.25: v1(48.4,47.625) 50.22,49.445 U1.31@50.22,50.705
  Bottom Layer w0.25: v1(48.4,47.625) 48.4,48.6 49,49.2 C10.2@50.59,49.2 C9.2@52.615,49.2
VP: C2.2 Q1.3 R1.1 R2.1 R4.2 R27.1 R28.1 R29.1 R30.1 R31.1 R32.1 R33.1 R34.1 U1.70 | length 111
  Top Layer w0.25: R34.1@18.07,87.72 v1@19.75,87.72 ; R33.1@18.07,90.26 v1@19.75,90.26 ; R32.1@18.07,92.8 v1@19.75,92.8 ; R31.1@18.07,95.34 v1@19.75,95.34 ; R30.1@18.07,97.88 v1@19.75,97.88 ; R29.1@18.07,100.42 v1@19.75,100.42 ; R28.1@18.07,102.96 v1@19.75,102.96 ; R27.1@18.07,105.5 32.404,105.5 R4.2@33.25,104.654 ; U1.70@50.22,64.155 v1(50.22,67.2)
  Top Layer w1: Q1.3@13.585,82.79 36.363,82.79 50.22,68.933 v1(50.22,67.2)
  Bottom Layer w0.25: v1(50.22,67.2) 50.22,64.205 50.215,64.2 50.55,64.2 51.35,63.4 51.35,56.39 R1.1@51.995,55.745 R2.1@51.995,54.288
  Bottom Layer w0.7: v1(19.77,82.8) v1(19.77,87.74) v1(19.77,90.28) v1(19.77,92.82) v1(19.77,95.36) v1(19.77,97.9) v1(19.77,100.44) v1(19.77,102.98) v1(19.77,105.52)
VREF: C7.1 C8.2 U1.67 | length 8.4
  Top Layer w0.25: U1.67@51.72,64.155 51.729,64.164 51.729,67.191 v1(51.72,67.2)
  Bottom Layer w0.25: v1(51.72,67.2) 52.43,66.49 52.43,64.2 C7.1@54.47,64.2
VSNS0: C12.2 D4.2 D5.1 D19_1.2 R10.1 U1.29 | length 61.1
  Top Layer w0.25: D19_1.2@31.195,5.95 34.45,9.205 34.45,28.05 35.8,29.4 35.8,36.4 49.22,49.82 U1.29@49.22,50.705
  Top Layer w0.65: R10.1@29.145,3.675 30.945,3.675 C12.2@31.22,3.95 32.22,4.95 ; D19_1.2@31.195,5.95 32.195,4.95 32.22,4.95 ; D5.1@35.88,5.425 D4.2@33.62,5.425 32.695,5.425 32.22,4.95
VSNS1: D19_1.1 D19_2.2 R35_1.1 U1.27 | length 51
  Top Layer w0.25: D19_1.1@31.195,9.3 D19_1.1@31.499,9.3 ; D19_2.2@31.195,11.656 33.8,14.262 33.8,28.395 35.3,29.895 35.3,36.85 48.22,49.77 U1.27@48.22,50.705
  Top Layer w1: R35_1.1@28.845,9.35 31.145,9.35 31.195,9.4 D19_2.2@31.195,11.656
VSNS2: D19_2.1 D19_3.2 R35_2.1 U1.25 | length 44.6
  Top Layer w0.25: D19_3.2@31.195,17.362 33.125,19.293 33.125,28.725 34.75,30.35 34.75,37.35 47.22,49.82 U1.25@47.22,50.705
  Top Layer w1: R35_2.1@28.845,15.056 31.145,15.056 31.195,15.106 D19_3.2@31.195,17.362
VSNS3: D19_3.1 D19_4.2 R35_3.1 U1.23 | length 38.5
  Top Layer w0.25: D19_3.1@31.195,20.812 D19_3.1@31.195,21.07 ; D19_4.2@31.195,23.069 32.475,24.349 32.475,29.075 34.2,30.8 34.2,37.825 46.22,49.845 U1.23@46.22,50.705
  Top Layer w1: R35_3.1@28.845,20.762 31.145,20.762 D19_3.1@31.195,20.812 ; D19_3.1@31.195,21.07 D19_4.2@31.195,23.069
VSNS4: D19_4.1 D19_5.2 R35_4.1 U1.21 | length 33.6
  Top Layer w0.25: D19_5.2@31.195,28.695 33.644,31.144 33.644,41.107 43.243,50.705 U1.21@45.22,50.705
  Top Layer w1: R35_4.1@28.845,26.469 D19_4.1@31.145,26.469 ; D19_4.1@31.195,26.419 31.195,28.695 D19_5.2@31.195,28.775
VSNS5: D19_5.1 D19_6.2 R35_5.1 U1.19 | length 28.9
  Top Layer w0.25: D19_6.2@31.195,34.486 33.125,36.417 33.125,44.125 42.18,53.18 U1.19@43.245,53.18
  Top Layer w1: R35_5.1@28.845,32.175 31.145,32.175 31.195,32.225 D19_6.2@31.195,34.481
VSNS6: D19_6.1 D19_7.2 R35_6.1 U1.17 | length 24.4
  Top Layer w0.25: D19_7.2@31.195,40.187 32.363,41.355 32.363,44.663 41.88,54.18 U1.17@43.245,54.18
  Top Layer w1: R35_6.1@28.845,37.886 31.145,37.886 31.195,37.936 D19_7.2@31.195,40.187
VSNS7: D19_7.1 D19_8.2 R35_7.1 U1.15 | length 20.5
  Top Layer w0.25: D19_8.2@31.195,45.882 40.493,55.18 U1.15@43.245,55.18
  Top Layer w1: R35_7.1@28.845,43.587 31.145,43.587 31.195,43.637 D19_8.2@31.195,45.882
VSNS8: D19_8.1 D19_9.2 R35_8.1 U1.13 | length 18.6
  Top Layer w0.25: D19_9.2@31.195,51.598 35.777,56.18 U1.13@43.245,56.18
  Top Layer w1: R35_8.1@28.845,49.282 31.145,49.282 31.195,49.332 D19_9.2@31.195,51.588
VSNS9: D19_9.1 D19_10.2 R35_9.1 U1.11 | length 16.8
  Top Layer w0.25: D19_10.2@31.195,57.28 31.294,57.18 U1.11@43.245,57.18
  Top Layer w1: R35_9.1@28.845,54.998 31.145,54.998 D19_9.1@31.195,55.048 ; D19_9.1@31.195,54.948 D19_9.1@31.195,55.048 ; D19_10.2@31.195,57.28 D19_9.1@31.195,55.048
VSNS10: D19_10.1 D19_11.2 R35_10.1 U1.9 | length 17.8
  Top Layer w0.25: D19_10.1@31.195,60.63 33.644,58.18 U1.9@43.245,58.18
  Top Layer w0.5: R35_10.1@28.845,60.68 R35_10.1@28.895,60.63
  Top Layer w1: R35_10.1@28.845,60.68 31.145,60.68 D19_10.1@31.195,60.63 D19_11.2@31.195,62.961
VSNS11: D19_11.1 D19_12.2 R35_11.1 U1.7 | length 22
  Top Layer w0.25: D19_11.1@31.145,66.361 D19_11.1@31.195,66.311 38.326,59.18 U1.7@43.245,59.18
  Top Layer w0.5: R35_11.1@28.845,66.361 D19_11.1@31.145,66.361
  Top Layer w1: R35_11.1@28.795,66.411 D19_11.1@31.095,66.411 ; D19_11.1@31.145,66.361 D19_12.2@31.145,68.692
VSNS12: D2.1 D3.2 D19_12.1 R35_12.1 U1.5 | length 27.7
  Top Layer w0.25: D19_12.1@31.195,72.061 33.65,69.606 33.65,64.6 38.07,60.18 U1.5@43.245,60.18
  Top Layer w0.5: D2.1@27.695,77.101 D3.2@27.695,74.686 27.695,73.261 R35_12.1@28.845,72.111 D19_12.1@31.145,72.111
WAKE: J4.5 U4.6 | length 6.6
  Top Layer w0.3: U4.6@47.853,18.275 47.853,15.738 J4.5@50.69,12.9
WAKE-ISO: R21.2 U1.49 U3.4 | length 41.9
  Top Layer w0.25: R21.2@54.65,25.65 54.65,27.175 55.005,27.53 U3.4@55.225,27.53 58.305,27.53 62.825,32.05 62.825,55.7 61.845,56.68 U1.49@56.695,56.68
WAKEUP: R22.2 U3.2 U4.11 | length 8.3
  Top Layer w0.25: U4.11@47.853,23.725 47.853,26.527 49.805,28.48 U3.2@52.525,28.48
pads on no net: U1.1 U1.2 U1.3 U1.4 U1.36 U1.75 U1.77 U1.78 U1.79 U1.80 U3.1

## Polygon pours and split planes (outlines as drawn)
TOPCELL on Top Layer "Top Layer-TOPCELL" (solid, pour order 62): 9.9,74.1 1.025,74.1 1.025,85.2 9.9,85.2
BLEED_12 on Top Layer "BLEED_12_L01_P060" (solid, pour order 60): 18.145,70.792 18.145,67.392 23.584,67.392 23.584,70.792
BLEED_11 on Top Layer "BLEED_11_L01_P058" (solid, pour order 58): 18.144,65.086 18.144,61.686 23.584,61.686 23.584,65.086
BLEED_10 on Top Layer "BLEED_10_L01_P056" (solid, pour order 56): 18.145,59.38 18.145,55.98 23.584,55.98 23.584,59.38
CELL0 on Top Layer "Top Layer-CELL0 1" (solid, pour order 54): 28.55,3.025 36.475,3.025 36.475,0.5 28.55,0.5
CELL0 on Top Layer "Top Layer-CELL0" (solid, pour order 50): 53.5,27.925 53.5,22.9 48.95,22.9 48.95,27.894
NetR3_1 on Top Layer "Top Layer-NetR3_1" (solid, pour order 48): 3.195,72.125 3.195,65.225 7.032,65.225 7.032,72.125
BLEED_1 on Top Layer "Top Layer-BLEED_1" (solid, pour order 47): 18.145,8.02 18.145,4.62 23.584,4.62 23.584,8.02
BLEED_2 on Top Layer "Top Layer-BLEED_2" (solid, pour order 46): 18.145,13.726 18.145,10.326 23.584,10.326 23.584,13.726
BLEED_3 on Top Layer "Top Layer-BLEED_3" (solid, pour order 45): 18.145,19.432 18.145,16.032 23.584,16.032 23.584,19.432
BLEED_4 on Top Layer "Top Layer-BLEED_4" (solid, pour order 44): 18.145,25.138 18.145,21.738 23.584,21.738 23.584,25.138
BLEED_5 on Top Layer "Top Layer-BLEED_5" (solid, pour order 43): 18.145,30.844 18.145,27.444 23.584,27.444 23.584,30.844
BLEED_6 on Top Layer "Top Layer-BLEED_6" (solid, pour order 42): 18.145,36.55 18.145,33.15 23.584,33.15 23.584,36.55
BLEED_7 on Top Layer "Top Layer-BLEED_7" (solid, pour order 41): 18.145,42.257 18.145,38.857 23.584,38.857 23.584,42.257
BLEED_8 on Top Layer "Top Layer-BLEED_8" (solid, pour order 40): 18.145,47.963 18.145,44.563 23.584,44.563 23.584,47.963
BLEED_9 on Top Layer "Top Layer-BLEED_9" (solid, pour order 39): 18.145,53.669 18.145,50.269 23.584,50.269 23.584,53.669
CELL0 on Bottom Layer (solid, remove dead copper, pour order 64): 62.673,0.5 4,0.5 cw(c4,4) 0.5,4 0.5,111 cw(c4,111) 4,114.5 62.498,114.5

## Other copper
Bottom Layer:
  pour cut-out: 30.1,69.5 30.1,7.5 30.918,7.5 33,9.582 33,34.16 34.481,34.16 48.72,48.399 48.073,49.046 46.22,49.046 45.586,49.68 45.586,60 40.561,60 31.061,69.5
  pour cut-out: 36.825,0 36.825,21.375 64,21.375 64,20.55 38.425,20.55 38.375,20.5 38.375,0

## Silkscreen, mask and mechanical layers (free items; w line width, h text height)
Top Overlay:
  lines w0.2: 38,0 38,20.975 55.8,20.975 55.8,-0.025
  text "COM H+" at 70.592,98.574 h1 r90
  text "COM H-" at 73.125,98.574 h1 r90
  text "FLT H-" at 68.058,98.549 h1 r90
  text "FLT H+" at 65.525,98.349 h1 r90
  text "GPIO2" at 46.33,90.216 h1 r90
  text "POWER" at 33.75,90.049 h1 r90
  text "HEART" at 52.625,90.049 h1 r90
  text "BALANCE" at 49.475,88.05 h1 r90
  text "3" at 24.175,80.3 h8
  text "BMS AFE / REV 3" at 44.375,75.818 h1.4
  text "z" at 62.802,54.062 h2
  text "1" at 46.475,49.325 h8
  text "CELL 11" at 6.1,45.307 h0.8
  text "CELL 10" at 6.1,42.759 h0.8
  text "CELL 9" at 6.1,40.211 h0.8
  text "CELL 8" at 6.1,37.663 h0.8
  text "FAULT" at 54.6,36.037 h1 r90
  text "CELL 7" at 6.1,35.116 h0.8
  text "CELL 6" at 6.1,32.568 h0.8
  text "CELL 5" at 6.1,30.02 h0.8
  text "HV" at 36.85,29.6 h2
  text "CELL 4" at 6.1,27.473 h0.8
  text "CELL 3" at 6.1,24.925 h0.8
  text "CELL 2" at 6.1,22.377 h0.8
  text "CELL 1" at 6.1,19.829 h0.8
  text "LV" at 50.4,17.725 h2
  text "CELL 0" at 6.1,17.282 h0.8
  text "VCC" at 41.205,5.774 h1 r90
  text "RX" at 48.885,5.774 h1 r90
  text "GND" at 53.975,5.774 h1 r90
  text "nFAULT" at 43.77,5.749 h1 r90
  text "TX" at 46.315,5.749 h1 r90
  text "WAKEUP" at 51.43,5.749 h1 r90
  text "COM L+" at 70.607,5.624 h1 r90
  text "COM L-" at 73.141,5.624 h1 r90
  text "FLT L-" at 68.074,5.599 h1 r90
  text "FLT L+" at 65.54,5.399 h1 r90
  text "Jarod Krane" at 11.075,0.475 h1
Bottom Overlay:
  lines w0.2: 11.7,80.125 11.7,100.725 ; 9.1,80.125 14.3,80.125 14.3,100.725 9.1,100.725 9.1,80.125
  text "COM H+" at 69.208,98.674 h1 r270
  text "COM H-" at 71.725,98.674 h1 r270
  text "FLT H-" at 66.667,98.649 h1 r270
  text "FLT H+" at 64.1,98.449 h1 r270
  text "GND" at 9.75,76.825 h1 r270
  text "THERMISTOR" at 12.3,69.9 h1 r270
  text "CELL 10" at 13.4,42.66 h1
  text "CELL 9" at 12.575,40.111 h1
  text "CELL 8" at 12.575,37.563 h1
  text "CELL 7" at 12.575,35.014 h1
  text "CELL 6" at 12.575,32.466 h1
  text "CELL 5" at 12.575,29.917 h1
  text "CELL 4" at 12.575,27.369 h1
  text "CELL 3" at 12.575,24.82 h1
  text "CELL 2" at 12.575,22.272 h1
  text "CELL 1" at 12.575,19.723 h1
  text "CELL 0" at 12.575,17.175 h1
  text "VCC" at 39.825,5.749 h1 r270
  text "nFAULT" at 42.38,5.749 h1 r270
  text "TX" at 44.935,5.749 h1 r270
  text "RX" at 47.49,5.749 h1 r270
  text "WAKEUP" at 50.045,5.749 h1 r270
  text "GND" at 52.6,5.749 h1 r270
  text "FLT L-" at 66.667,5.624 h1 r270
  text "COM L+" at 69.208,5.624 h1 r270
  text "COM L-" at 71.725,5.624 h1 r270
  text "FLT L+" at 64.15,5.399 h1 r270
BOARD:
  lines w0.2: 0,4 ccw(c4,4) 4,0 75,0 75,115 9,115 4,115 ccw(c4,111) 0,111 0,106 0,4